# Allegro board FRDM-A-S32K356_PCBLayout.brd (continued)
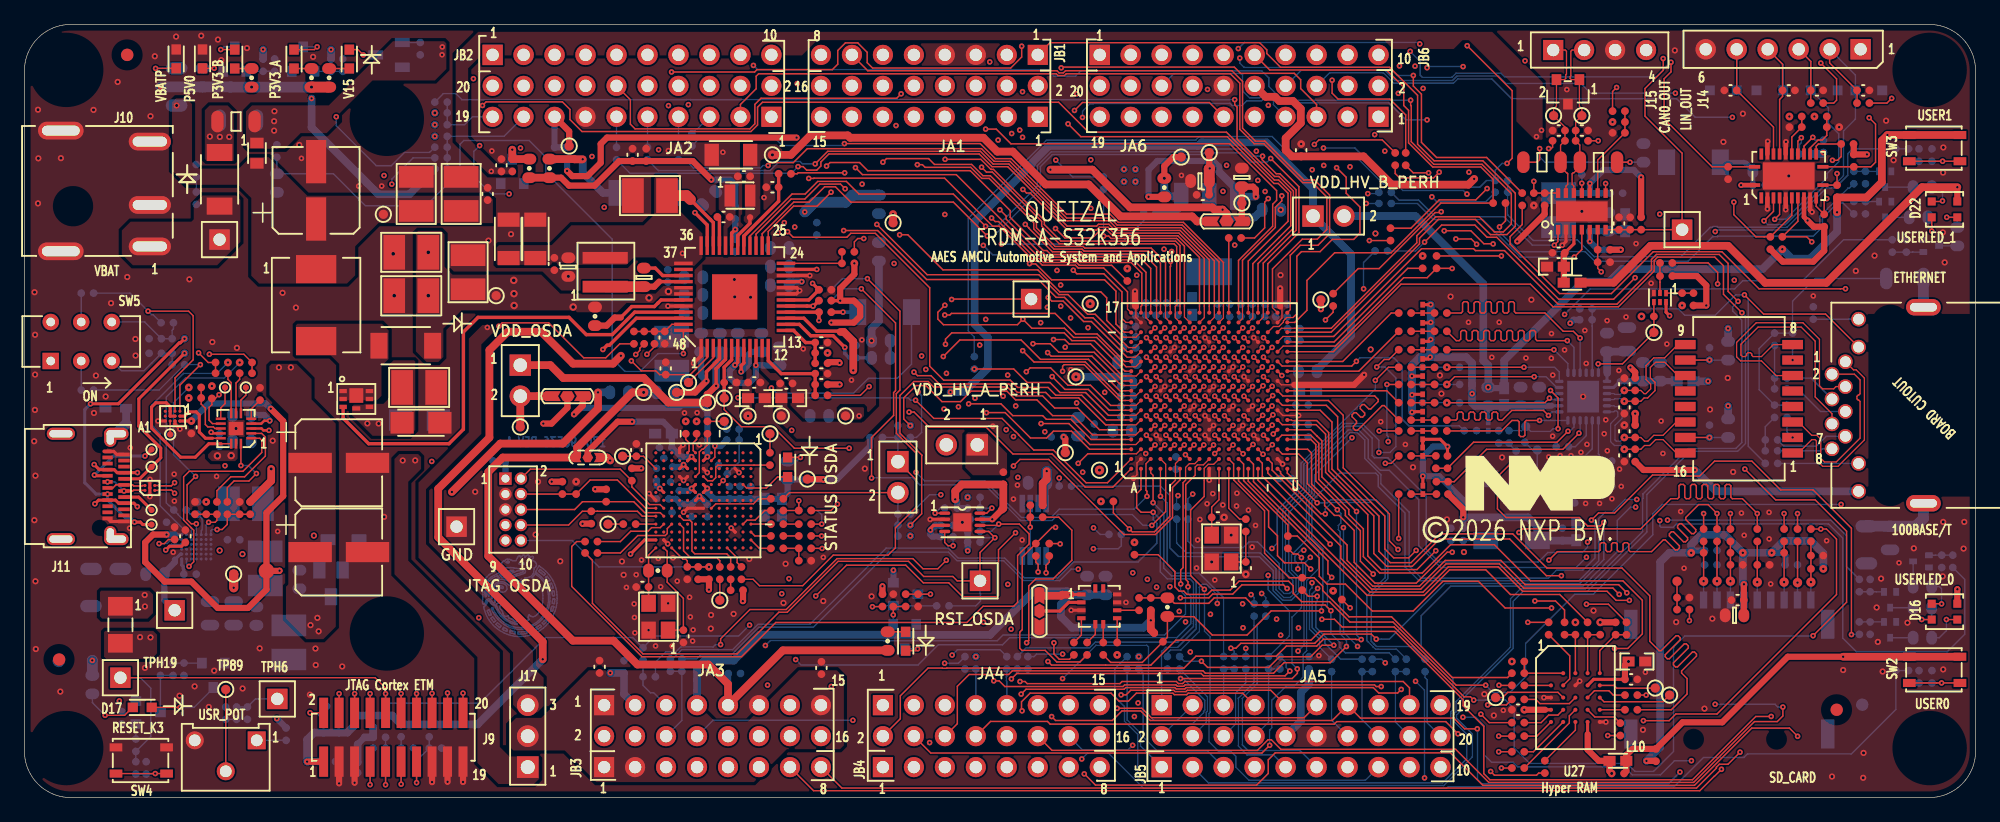
[diagram p0: board, top side]
## Routing (per net, layer and track width the routed paths; a pad name or vN(x,y) marks a point on that pad's centre or on a via; arc(x,y) is an arc through that point) (continued)
  L4_INT_2 w0.102: 91.95,26.04 v1(91.95,28.22)
  L4_INT_2 w0.127: 91.95,26.04 91.95,26.01 91.13,25.19 90.73,25.19 v1(87.67,22.13)
  BOTTOM w0.118: R57.1 88.21,21.59 v1(87.67,22.13)
PTH3: length 68.6
  TOP w0.127: U2.E11 v1(94.31,35.33)
  L3_INT_1 w0.102: v1(94.31,35.33) 94.31,35.64 94,35.95 94,36.69 93.93,36.77 93.93,37.09 94,37.16 94,38.29 93.93,38.37 93.93,40.29
  L3_INT_1 w0.127: 93.93,40.29 93.93,43.14 92.81,44.25 92.81,47.13 96.58,50.9 96.58,52.18 96.87,52.47 99.24,52.47 100.14,53.37 100.14,53.39 101.87,55.11 101.87,56.32 101.23,56.96 100.54,56.96 100.29,56.71 98.39,56.71 v1(97.01,58.09)
  L4_INT_2 w0.127: v1(97.01,58.09) 97.01,58.75 97.68,59.42 106.47,59.42 106.8,59.09 106.8,58.48 107.89,57.39 109.39,57.39 109.68,57.67 109.68,58.62 110.49,59.43 111.38,59.43 112.03,58.79 112.03,57.97 111.93,57.87 111.93,57.23 112.62,56.54 112.62,52.96 115.41,50.17 v1(115.41,49.28)
  BOTTOM w0.118: R53.1 119.83,48.87 115.81,48.87 v1(115.41,49.28)
PTH4: length 11.3
  TOP w0.127: U2.E12 v1(93.6,36.13)
  L3_INT_1 w0.102: 90.74,40.29 90.74,37.68 91.87,36.54 93.19,36.54 v1(93.6,36.13)
  L3_INT_1 w0.127: v2(90.44,43.4) 91.5,43.4 91.63,43.27 91.63,42.14 91.49,41.99 91.49,41.34 91.24,41.1 91.02,41.1 90.74,40.81 90.74,40.29
PTH5: length 60.8
  TOP w0.118: R800.1 119.9,52.51 115.79,52.51 114.56,53.75 114.56,57.7 113.89,58.37 v1(113.89,59.23)
  TOP w0.127: U2.F13 v1(95.11,36.93)
  L3_INT_1 w0.102: 94.69,40.29 94.69,38.41 94.87,38.22 94.87,37.16 v1(95.11,36.93)
  L3_INT_1 w0.127: v1(99.66,60.66) 99.66,60.24 99.73,60.17 99.73,57.69 100.02,57.4 102.07,57.4 102.43,57.04 102.43,55.01 100.86,53.44 100.85,53.44 100.6,53.2 100.6,51.69 99.1,50.2 99.1,48.34 94.69,43.93 94.69,40.29
  BOTTOM w0.118: v1(99.66,60.66) 99.66,60.25 100.01,59.9 111.91,59.9 112.58,59.23 v1(113.89,59.23)
PTH6: length 17.9
  TOP w0.118: v1(106.69,39.18) 106.69,39.19 106.8,39.31 106.8,39.31 107.32,39.82 R801.1
  TOP w0.127: U2.G13 v1(95.91,36.93)
  L3_INT_1 w0.102: 104.13,37.6 102.51,37.6 101.98,37.06 101.98,36.78 101.7,36.51 101.45,36.51 101.18,36.25 101.18,35.94 100.91,35.66 99.77,35.66 99.58,35.46 99.58,35.08 99.45,34.95 99.15,34.95 98.87,34.66 98.87,34.39 98.6,34.11 96.68,34.11 96.38,34.41 96.38,36.46 v1(95.91,36.93)
  L3_INT_1 w0.127: 104.13,37.6 105.1,37.6 v1(106.69,39.18)
PTH7: length 23.5
  TOP w0.118: v1(110.28,45.69) R802.1
  TOP w0.127: U2.K13 v1(98.31,36.93)
  L3_INT_1 w0.102: 97.13,40.29 97.13,38.37 97.2,38.29 97.2,37.46 97.39,37.27 97.72,37.27 98.07,36.93 v1(98.31,36.93)
  L3_INT_1 w0.127: v1(99.24,45.32) 97.25,43.33 97.25,43.2 97.13,43.07 97.13,40.29
  L4_INT_2 w0.127: v1(99.24,45.32) 99.61,45.69 v1(110.28,45.69)
PTH9: length 143.5
  TOP w0.118: v1(106.36,15.32) 102.24,15.32 100.25,13.34 97.4,13.34 95.9,14.84 94.98,14.84 94.96,14.86 R523.2 93.72,13.15 93.72,13.14 93.72,13.14 R522.2 91.67,11.09 89.08,11.09 R520.2
  TOP w0.127: U2.M13 v1(99.91,36.93)
  L3_INT_1 w0.127: v1(132.21,24.46) 133.31,25.55 141.16,25.55 141.72,26.11 141.72,41.18 140.46,42.44 v1(140.21,42.44)
  L4_INT_2 w0.102: 104.13,39.36 102.09,37.33 100.98,37.33 100.58,36.93 v1(99.91,36.93)
  L4_INT_2 w0.127: 104.13,39.36 104.27,39.51 104.27,40.19 106.45,42.37 114.36,42.37 116.36,44.37 118.92,44.37 119.66,43.63 127.41,43.63 127.83,44.05 138.59,44.05 v1(140.21,42.44)
  BOTTOM w0.118: v1(132.21,24.46) 131.28,24.46 131.26,24.44 131.26,24.44 130.22,23.4 129.6,23.4 129.1,22.89 129.1,19.43 127.46,17.79 114.34,17.79 113.2,18.93 113.2,23.34 112.43,24.12 112.4,24.12 111.01,25.51 111.01,26.4 110.8,26.62 107.85,26.62 105.57,24.34 105.57,21.3 106.47,20.4 106.47,15.85 106.36,15.73 v1(106.36,15.32)
PTH11: length 115.6
  TOP w0.118: v1(82.18,12.7) 82.35,12.88 82.35,17.37 82.92,17.94 84.35,17.94 84.87,18.45 84.88,18.45 85.89,19.47 85.89,21.93 84.82,23 R525.1
  TOP w0.127: U2.N12 v1(100,36.13)
  L3_INT_1 w0.102: v1(100,36.13) 100,36.25 100.43,36.67 100.43,37.56 100.38,37.61 100.38,40.29
  L3_INT_1 w0.127: v1(82.18,12.7) 81.88,13 81.88,17.67 80.38,19.17 80.38,22.12 80.47,22.2 80.47,22.67 80.43,22.71 80.43,23.48 80.2,23.72 80.2,29.57 79.86,29.91 79.86,31.97 79.03,32.79 79.03,38 78.41,38.63 78.41,44.48 79.05,45.12 79.05,45.4 79.86,46.21 79.86,47.39 80.78,48.31 80.78,50.43 80.95,50.6 v1(80.95,54.47) ; 100.38,40.29 100.38,41.51 104.04,45.17 108.88,45.17 111.55,47.84 v1(111.55,53.03)
  L4_INT_2 w0.127: v1(80.95,54.47) 81.43,54 81.43,53.99 81.67,53.74 83.38,53.74 83.79,54.16 101.47,54.16 102.69,52.94 111.46,52.94 v1(111.55,53.03)
QSPI_A_CS: length 4
  TOP w0.118: R745.1 R776.2 U27.A3
QSPI_A_RDS: length 4.5
  TOP w0.118: R774.2 123.93,8.06 124.27,7.71 126.69,7.71 U27.C3
QSPI_A_SCK: length 5.1
  TOP w0.118: U27.B2 126.72,9.74 126.72,11.63 R714.1
QSPI_INT_PTA27: length 41.8
  TOP w0.118: U2.M2 99.97,27.36 99.97,26 103.6,22.37 R3.2 104.38,21.46 106.18,19.66 106.18,18.15 106.82,17.51 108.32,17.51 110.53,15.31 113.88,15.31 116.32,17.74 119.23,17.74 121.41,15.56 v1(125.22,15.56) ; R781.2 129.88,15.86 v1(128.08,15.86)
  L3_INT_1 w0.127: v1(128.08,15.86) 125.53,15.86 v1(125.22,15.56)
QSPI_IO0: length 6.5
  TOP w0.118: U27.D3 126.68,6.71 126.68,6.12 R715.2
QSPI_IO0_PTD11: length 61.6
  TOP w0.102: U2.U6 103.9,30.98 103.94,30.93 104.13,30.93
  TOP w0.118: 104.13,30.93 105.96,30.93 106.95,29.94 106.95,26.81 110.65,23.11 110.65,20.03 111.7,18.97 113.8,18.97 116.04,21.21 121.79,21.21 124.8,18.2 v1(126.03,18.2) ; v1(121.11,2.43) R715.1
  L3_INT_1 w0.127: v1(121.11,2.43) 120.2,3.34 120.2,5.36 120.72,5.88 123.11,5.88 125.22,7.99 125.4,7.99 126.2,7.19 126.38,7.19 126.56,7.37 126.56,7.55 125.76,8.35 125.76,8.53 125.94,8.71 126.12,8.71 126.91,7.91 127.09,7.91 127.27,8.09 127.27,8.27 126.48,9.07 126.48,9.25 127.77,10.54 127.77,11.92 126.38,13.3 124.68,15.01 124.68,15.82 126.03,17.17 v1(126.03,18.2)
QSPI_IO1: length 3.6
  TOP w0.118: R746.2 124.37,6.15 124.99,6.77 125.74,6.77 U27.D2
QSPI_IO1_PTD7: length 64.4
  TOP w0.118: R746.1 120.12,6.15 v1(119.43,6.84) ; U2.U4 105.48,29.38 105.89,28.96 105.89,25.97 108.32,23.54 108.32,23.13 109.55,21.9 109.55,19.39 v1(110.6,18.34)
  L3_INT_1 w0.127: v1(119.43,6.84) 114.54,11.73 114.54,12.28 114.42,12.4 113.74,12.4 113.61,12.53 113.61,12.79 113.74,12.91 114.42,12.91 114.54,13.04 114.54,13.29 114.42,13.42 113.74,13.42 113.61,13.55 113.61,13.8 113.74,13.93 114.42,13.93 114.54,14.06 114.54,14.39 114,14.93 113.82,14.93 112.69,13.8 112.51,13.8 112.33,13.98 112.33,14.16 113.46,15.29 113.46,15.47 112.59,16.35 112.59,16.53 112.84,16.78 113.02,16.78 114.38,15.42 114.56,15.42 114.74,15.6 114.74,15.78 113.38,17.14 113.38,17.32 113.66,17.59 113.84,17.59 114.49,16.94 114.67,16.94 114.85,17.12 114.85,17.3 114.2,17.95 114.2,18.13 114.76,18.7 114.76,18.88 114.58,19.06 114.4,19.06 112.23,16.89 112.05,16.89 111.87,17.07 111.87,17.25 114.04,19.42 114.04,19.6 113.86,19.77 113.68,19.77 112.34,18.43 112.16,18.43 111.82,18.77 111.82,18.95 112.46,19.59 112.46,19.76 112.28,19.94 112.1,19.94 111.46,19.31 111.28,19.31 110.83,19.76 110.65,19.76 110.47,19.58 110.47,19.4 111.8,18.07 111.8,17.89 111.51,17.6 111.33,17.6 v1(110.6,18.34)
QSPI_IO2: length 3.4
  TOP w0.118: R747.2 130.28,8.41 129.93,8.77 128.74,8.77 U27.C4
QSPI_IO2_PTD12: length 64.2
  TOP w0.118: v1(102.32,30.56) 102.32,30.54 U2.R5 ; R747.1 v1(132.98,8.41)
  L3_INT_1 w0.102: v1(102.32,30.56) 104.13,30.56
  L3_INT_1 w0.127: 104.13,30.56 108.59,30.56 110.37,28.78 111.37,28.78 113.31,26.84 113.31,26.66 112.36,25.7 112.36,25.52 112.53,25.35 112.71,25.35 113.67,26.3 113.85,26.3 114.03,26.12 114.03,25.94 113.07,24.99 113.07,24.81 113.25,24.63 113.43,24.63 114.39,25.58 114.57,25.58 114.75,25.4 114.75,25.22 113.79,24.27 113.79,24.09 113.97,23.91 114.15,23.91 115.11,24.86 115.29,24.86 115.47,24.68 115.47,24.51 114.51,23.55 114.51,23.37 114.69,23.19 114.87,23.19 115.83,24.15 116.01,24.15 116.19,23.97 116.19,23.79 115.23,22.83 115.23,22.65 115.41,22.47 115.59,22.47 116.55,23.43 116.73,23.43 117.87,22.29 123.14,22.29 133.16,12.28 133.16,12 132.47,11.32 132.47,11.14 132.65,10.96 132.83,10.96 133.52,11.65 133.7,11.65 134.15,11.19 134.15,9.87 134.02,9.74 132.81,9.74 132.68,9.62 132.68,9.36 132.81,9.24 134.02,9.24 134.15,9.11 134.15,8.82 133.73,8.41 v1(132.98,8.41)
QSPI_IO3: length 3.1
  TOP w0.118: U27.D4 128.77,6.62 130.35,6.62 R713.2
QSPI_IO4: length 2.1
  TOP w0.118: U27.D5 R770.2
QSPI_IO5: length 4.2
  TOP w0.118: U27.E3 127.18,5.54 R771.2
QSPI_IO5_PTD9: length 63.7
  TOP w0.118: R771.1 124.17,2.01 123.99,1.84 120.54,1.84 v1(120.23,2.15) ; v1(112.63,20.35) 111.93,21.06 111.93,23.26 108.14,27.05 108.14,31.36 106.93,32.58 U2.U8
  L3_INT_1 w0.127: v1(120.23,2.15) 118.7,3.67 118.7,7.04 111.8,13.95 111.8,14.13 112.53,14.86 112.53,15.04 112.35,15.22 112.17,15.22 111.34,14.4 111.16,14.4 110.98,14.58 110.98,14.76 111.81,15.58 111.81,15.76 111.63,15.94 111.45,15.94 110.63,15.12 110.45,15.12 110.27,15.3 110.27,15.48 111.09,16.3 111.09,16.48 110.91,16.66 110.73,16.66 109.91,15.84 109.73,15.84 109.55,16.02 109.55,18.41 109.42,18.53 109.15,18.53 109.02,18.41 109.02,17 108.9,16.87 108.64,16.87 108.52,17 108.52,18.41 108.39,18.53 107.42,18.53 107.29,18.66 107.29,18.91 107.42,19.04 108.26,19.04 108.39,19.17 108.39,19.59 108.51,19.71 108.77,19.71 108.9,19.59 108.9,19.17 109.02,19.04 109.42,19.04 109.55,19.17 109.55,19.54 110.36,20.35 v1(112.63,20.35)
QSPI_IO6: length 4.2
  TOP w0.118: U27.E2 123.73,3.76 R772.2
QSPI_IO6_PTD8: length 64.7
  TOP w0.118: U2.R8 v1(102.36,32.98) ; R772.1 v1(120.89,3.76)
  L3_INT_1 w0.102: v1(102.36,32.98) 104.13,32.98
  L3_INT_1 w0.127: v1(120.89,3.76) 122.88,3.76 124,2.64 131.4,2.64 134.77,6 134.77,11.46 123.27,22.96 120.68,22.96 110.07,33.57 105.8,33.57 105.2,32.98 104.13,32.98
QSPI_IO7: length 2.7
  TOP w0.118: U27.E1 124.02,5.04 R773.2
QSPI_RST_PTA28: length 35.9
  TOP w0.118: U2.N2 100.78,27.35 100.78,25.92 110.11,16.59 114.77,16.59 116.86,18.68 119.83,18.68 121.85,16.66 125.89,16.66 R777.2
QSPI_RSTO_PTA26: length 33.8
  TOP w0.118: R782.2 121.61,9.85 117.09,9.85 112.1,14.83 108.61,14.83 106.46,16.99 106.46,17.34 105.75,18.04 105.41,18.04 105.41,18.04 R2.2 103.7,18.04 101.69,20.05 101.69,23.53 99.15,26.06 99.15,27.38 U2.L2
QSPI_SCK_PTD10: length 67.7
  TOP w0.118: v1(123.28,14.38) R714.2 ; U2.T6 103.14,30.59 105.92,30.59 106.69,29.81 106.69,26.68 110.15,23.22 110.15,19.82 111.27,18.71 114.19,18.71 v1(115.73,20.25) ; v1(120.91,9.22) 120.93,9.21 R778.2
  L3_INT_1 w0.127: v1(120.91,9.22) 120.91,8.37 121.5,7.79 123.25,7.79 123.69,8.23 123.69,8.41 122.05,10.05 122.05,10.23 122.23,10.41 122.4,10.41 124.05,8.77 124.23,8.77 124.4,8.95 124.4,9.13 122.76,10.77 122.76,10.95 122.94,11.13 123.12,11.13 124.76,9.49 124.94,9.49 125.12,9.67 125.12,9.85 123.48,11.49 123.48,11.67 123.66,11.85 123.84,11.85 125.48,10.2 125.66,10.2 126.14,10.68 126.14,12.54 125.88,12.8 125.7,12.8 124.91,12 124.73,12 124.55,12.18 124.55,12.36 125.34,13.16 125.34,13.34 125.16,13.52 124.98,13.52 124.19,12.72 124.01,12.72 123.83,12.9 123.83,13.08 124.63,13.88 124.63,14.06 124.3,14.38 v1(123.28,14.38) 122.23,14.38 117.09,19.52 116.46,19.52 v1(115.73,20.25)
RESET_MCU: length 303.2
  TOP w0.102: U2.A3 90.3,28.58
  TOP w0.118: J9.10 v1(29.62,8.53) 29.62,8.98 28.76,9.84 TPH19.1 ; v1(146.67,13.28) 149.41,16.03 149.41,21.85 146.84,24.42 143.6,24.42 v1(141.07,26.95) ; v1(106.39,14.63) 107.42,14.63 108.05,13.99 112.32,13.99 118.04,8.27 118.58,8.27 v1(118.84,8) ; v1(78.89,31.57) 78.89,31.58 80.42,31.58 82.5,29.5 83.82,29.5 84.38,30.06 85.86,30.06 87.34,28.58 90.3,28.58 ; U1.2 55.99,36.09 54.6,34.69 C187.1 52.08,34.69 51.77,35 50.59,35 v1(49.77,35.82)
  L3_INT_1 w0.127: v1(141.07,26.95) 141.07,38.34 139.8,39.61 136.69,39.61 v2(135.93,40.37) ; v1(78.89,31.57) 78.89,31.15 78.76,31.03 78.76,30.2 79.54,29.42 79.54,26.83 v2(77.35,24.64) 78.78,23.2 78.78,19.9 80.98,17.7 80.98,17.35 80.49,16.86 80.49,15.1 80.91,14.69 v1(80.91,13.82) ; v1(49.77,35.82) 50.66,34.93 57.01,34.93 58.34,33.6 v1(61.25,33.6) 61.25,32.63 60.07,31.44 60.07,14.76 v1(59.46,14.15)
  L4_INT_2 w0.127: v1(59.46,14.15) 61.58,14.15 62.06,14.63 77.74,14.63 78.84,13.52 80.61,13.52 v1(80.91,13.82) 81.05,13.82 81.28,14.05 90.28,14.05 91.34,12.99 101.61,12.99 103.59,14.96 106.05,14.96 v1(106.39,14.63)
  BOTTOM w0.118: v1(59.46,14.15) 58.57,13.26 51.69,13.26 R419.1 49.89,13.13 42.73,13.13 37.35,7.75 R349.2 v1(29.62,8.53) ; TPH19.1 9.5,9.84 10.37,8.98 10.37,5.01 R365.1 R364.2 ; v1(61.25,33.6) 61.68,33.18 68,33.18 69.21,34.39 71.57,34.39 72.74,35.56 D21.A ; v1(146.67,13.28) 146.65,13.26 136.15,13.26 135.23,12.33 135.23,3.8 133.58,2.15 132.06,2.15 131.4,2.81 123.42,2.81 122.16,4.06 122.16,7.29 121.44,8.02 119.81,8.02 119.79,8 v1(118.84,8)
RGBLED0_BLUE: length 109.5
  TOP w0.118: v1(149.81,13.37) 149.81,22.09 146.67,25.24 144.01,25.24 141.65,27.6 138.59,27.6 137.37,26.38 135.67,26.38 135.58,26.46 133.5,26.46 130.39,23.35 129.07,23.35 v1(128.49,22.77)
  BOTTOM w0.118: v1(149.81,13.37) 149.83,13.37 149.85,13.39 R333.1 ; v1(128.49,22.77) 128.79,22.47 128.79,19.66 127.79,18.66 125.63,18.66 124.98,18.01 114.53,18.01 113.55,18.99 113.55,23.42 111.23,25.73 111.23,26.5 109.91,27.82 109.91,29.33 109.31,29.94 108.69,29.94 105.56,26.81 105.56,24.95 105.13,24.52 105.13,21.14 103.89,19.91 103.89,18.69 104.49,18.1 104.49,16.8 103.88,16.19 103.18,16.19 102.4,16.97 102.4,18.63 101.27,19.76 97.55,19.76 97.54,19.77 94.64,19.77 93.93,20.48 93.93,24.77 93.14,25.56 R59.1
RGBLED0_GREEN: length 86.6
  L3_INT_1 w0.127: v1(134.73,22.76) 134.73,21.46 132.06,18.79 129.01,18.79 v1(128.08,19.72)
  BOTTOM w0.118: R61.1 94.48,20.88 95.3,20.07 101.33,20.07 102.63,18.77 102.63,17.05 103.27,16.41 103.78,16.41 104.27,16.89 104.27,18.01 103.67,18.6 103.67,23.37 105.34,25.04 105.34,26.95 108.55,30.16 109.4,30.16 110.2,29.36 110.2,27.84 111.19,26.84 111.92,26.84 114.34,24.43 114.34,20.66 116.12,18.88 127.25,18.88 v1(128.08,19.72) ; v1(134.73,22.76) 148.12,22.76 149.41,21.48 149.41,18.95 R338.1
RGBLED0_RED: length 108.6
  L3_INT_1 w0.127: v1(134.1,22.73) 134.1,21.47 131.94,19.32 129.41,19.32 128.18,20.55 v1(128.18,20.96)
  BOTTOM w0.118: R62.1 95.4,21.04 95.93,20.51 99.95,20.51 100.41,20.97 101.12,20.97 102.89,19.2 102.89,17.15 103.3,16.74 103.74,16.74 104.01,17.01 104.01,17.84 103.4,18.45 103.4,23.48 105.12,25.21 105.12,27.25 108.34,30.47 109.54,30.47 110.51,29.49 110.51,28.06 110.7,27.87 111.8,27.87 114.95,24.73 114.95,20.36 115.99,19.33 124.13,19.33 124.91,20.1 127.73,20.1 128.18,20.55 v1(128.18,20.96) ; v1(134.1,22.73) 134.1,22.29 134.22,22.17 135.19,22.17 135.46,22.45 147.94,22.45 149.1,21.28 149.1,13.08 150.22,11.96 157.67,11.96 159.1,13.4 159.1,17.9 R341.1
RGBLED1_BLUE: length 49.4
  TOP w0.118: v1(115.14,51.25) 113.88,51.25 R796.1
  L3_INT_1 w0.127: v1(126.29,39.63) 123.6,39.63 118.59,44.64 118.59,47.8 v1(115.14,51.25)
  BOTTOM w0.118: R787.1 149.17,45.76 145.8,42.39 140.9,42.39 140.23,41.72 128.38,41.72 v1(126.29,39.63)
RGBLED1_GREEN: length 35.4
  TOP w0.118: R797.1 121.45,47.31 v1(120.95,46.82)
  BOTTOM w0.118: v1(120.95,46.82) 120.95,46.4 122.58,44.78 127.99,44.78 128.77,44 136.42,44 138.46,46.03 138.47,46.02 138.82,46.02 138.85,46.05 146.68,46.05 147.44,46.81 147.44,47.53 148.68,48.77 149.11,48.77 R789.1
RGBLED1_RED: length 46.7
  TOP w0.118: v1(116.01,51.3) 115.54,50.83 112.76,50.83 112.4,51.19 R798.1
  L3_INT_1 w0.127: v1(138.65,46.43) 138.65,48.64 136.35,50.94 136.35,50.98 134.62,52.71 124.63,52.71 121.39,49.47 119.05,49.47 117.73,50.8 116.52,50.8 v1(116.01,51.3)
  BOTTOM w0.118: R791.1 149.65,50 149.54,50 147.22,47.68 147.22,46.9 146.87,46.56 138.77,46.56 v1(138.65,46.43)
SDA_EXTAL_16MHZ: length 4.8
  TOP w0.118: U8.N13 51.18,19.89 R104.1 C94.1 Y2.3
SDA_JTAG_TCLK: length 12.5
  TOP w0.118: U8.N8 50.94,23.73 48.62,26.05 46.39,26.05 R154.1 R150.2 J13.4
SDA_JTAG_TDI: length 11.7
  TOP w0.118: U8.N9 50.67,23.08 50.26,23.49 46.99,23.49 46.99,23.49 R152.2 45.75,23.49 44.62,22.36 J13.8
SDA_JTAG_TDO: length 12.5
  TOP w0.118: J13.6 45.12,23.63 45.76,24.27 R151.2 49.97,24.27 50.87,23.37 52.14,23.37 U8.M9
SDA_JTAG_TMS: length 13.7
  TOP w0.118: J13.2 41.49,26.94 48.86,26.94 R149.2 49.81,25.49 51.26,24.04 52.12,24.04 U8.M8
SDA_LED: length 4.2
  TOP w0.118: U8.B5 59.21,25.4 60.85,25.4 61.76,26.3 D9.C
SDA_LVLRST_EN: length 57.5
  TOP w0.118: R99.2 45.28,21 44.88,20.6 44.88,17.32 50.64,11.56 58.8,11.56 61.61,14.36 77.28,14.36 78.61,15.69 81.12,15.69 81.44,16.01 81.44,19.86 82.39,20.81 82.39,21.63 81.58,22.44 v1(79.89,22.44) 79.79,22.33 U10.6
  BOTTOM w0.118: v1(79.89,22.44) 79.3,21.84 R132.2
SDA_RST_B: length 20.3
  TOP w0.118: v2(56.13,18.92) R110.2 R112.1 54.36,19.43 54.22,19.56 54,19.56 U8.L13
  BOTTOM w0.118: v2(56.13,18.92) 47.1,18.92 44.93,21.09 J13.10
SDA_RST_TGTMCU: length 53
  TOP w0.118: U10.5 79.07,21.83 v1(79.58,21.32) 78.36,20.1 TPH10.1 76.49,17.78 76.13,18.14 73.74,18.14 72.5,19.38 66.73,19.38 62.55,15.21 61.86,15.21 58.45,11.79 50.72,11.79 46.58,15.93 46.58,19.47 R100.2
  BOTTOM w0.118: R142.1 78.01,15.73 78.4,16.12 78.4,16.72 78.36,16.76 TPH10.1 ; R130.2 78.73,21.32 v1(79.58,21.32)
SDA_SWD_DIN: length 2.9
  TOP w0.118: v1(63.5,24.35) R108.1 R127.2
  BOTTOM w0.118: v1(63.5,24.35) R108.1
SDA_SWD_DOUT: length 1.3
  TOP w0.118: R126.2 R106.1
SDA_SWD_EN: length 1.7
  TOP w0.118: R102.2 TP134.1
SDA_SWD_OE: length 1.3
  TOP w0.118: R98.2 TP133.1
SDA_SWD_SCK: length 1.3
  TOP w0.118: R125.2 R105.1
SDA_SWD_SWO: length 2.3
  TOP w0.118: R111.1 R109.1 R121.2
SDA_USB_DN: length 1.7
  TOP w0.127: U8.H1 54.84,28.47 54.84,29.11 55.12,29.38 55.12,29.84
SDA_USB_DP: length 1.7
  TOP w0.127: 54.23,29.84 54.23,29.38 54.5,29.11 54.5,28.41 U8.J1
SDA_USB_P5V_SENSE: length 5.2
  TOP w0.118: v1(57.3,26.01) 57.3,26.01 U8.E5
  BOTTOM w0.118: R138.1 R136.2 58.6,27.53 C100.1 57.64,26.34 v1(57.3,26.01)
SDA_XTAL_16MHZ: length 8.7
  TOP w0.118: U8.M13 52.71,20.21 R104.2 52.71,17.68 54.04,16.34 C93.1 Y2.1
TEMP_ALERT: length 4.2
  TOP w0.118: v1(82.48,22.18) R525.2 R524.2
  BOTTOM w0.118: U18.3 v1(82.48,22.18)
TEMP_I2C_SCL: length 2.7
  TOP w0.118: R527.1 82.93,19.32 83.12,19.13 v1(83.12,18.51)
  BOTTOM w0.118: v1(83.12,18.51) 83.13,18.52 U18.2
TEMP_I2C_SDA: length 2.9
  TOP w0.118: R526.1 84.04,19.32 83.78,19.06 83.78,18.85 83.78,18.85 v1(83.78,18.44)
  BOTTOM w0.118: U18.1 83.78,18.58 83.78,18.58 v1(83.78,18.44)
USB1_CC1: length 5.2
  TOP w0.118: 15.43,29.48 U4.13
  TOP w0.254: U7.A2 13.13,31.29 13.48,31.64 14.09,31.64 14.34,31.39 14.34,29.99 14.85,29.48 15.43,29.48
USB1_CC2: length 12.7
  TOP w0.118: 16.13,29.03 U4.14
  TOP w0.254: U7.B2 U7.C2 U7.C1 11.95,32.07 11.64,32.38 10.78,32.38 10.43,32.03 10.43,30.3 12.81,27.92 14.02,27.92 15.12,29.03 16.13,29.03
USB1_DN: length 47.4
  TOP w0.127: v1(12.31,24.96) 12.05,25.23 11.08,25.23 11.05,25.2 U6.C1
  L3_INT_1 w0.127: v2(55.12,30.86) 54.84,30.59 54.84,29.95 54.49,29.59 38,29.59 33.63,25.23 12.58,25.23 v1(12.31,24.96)
USB1_DP: length 46.8
  TOP w0.127: U6.C2 11.05,25.6 11.08,25.57 12.05,25.57 v1(12.31,25.84)
  L3_INT_1 w0.127: v1(12.31,25.84) 12.58,25.57 33.49,25.57 37.85,29.94 54.34,29.94 54.5,30.1 54.5,30.59 v2(54.23,30.86)
USB1_VBUS_IN: length 1.1
  TOP w0.762: v1(17.16,17.21) 17.16,18.33 TP20.1
USB_CC1_PD_OVP: length 14.1
  TOP w0.118: v1(14.43,35.51) 12.75,33.84 U7.A1
  BOTTOM w0.118: R452.2 11.05,33.43 R448.2 v1(14.43,35.51)
USB_CC2_PD_OVP: length 18.8
  TOP w0.118: U7.B1 12.35,34.43 13.84,35.91 13.84,39.52 13.46,39.9 v1(10.14,39.9)
  BOTTOM w0.118: R453.2 8.66,41.38 v1(10.14,39.9) 10.43,39.61 10.55,39.61 R449.2
USB_CHASSIS: length 4.7
  L2_GND_1 w0.508: 8.69,30 8.53,29.84 7.54,29.84
  L2_GND_1 w0.889: 7.43,20.23 7.54,20.34 J11.SH4
  BOTTOM w0.635: L4.1 8.33,30.64
  BOTTOM w0.889: 8.33,30.64 7.54,29.84
USB_VBUS: length 17.1
  TOP w0.635: v1(35.05,25.07) 39.02,29.04 44.15,29.04 47.04,31.92 v1(47.04,33.24)
  BOTTOM w0.635: v1(47.04,33.24) R529.1
USBC_CC1: length 14.6
  TOP w0.254: J11.A5 9.45,26.15 TP24.1 11.18,27.88 11.18,28.67 9.38,30.47 9.38,32.7 v2(13.13,36.45)
USBC_CC2: length 23.8
  TOP w0.254: v1(5.42,32.3) 7.7,32.3 12.7,37.3 12.79,37.3 v2(13.13,37.64) ; v1(9.03,22.6) 9.51,22.6 9.71,22.4 TP25.1
  BOTTOM w0.254: v1(5.42,32.3) 4.95,31.83 4.95,25.83 5.88,24.9 v2(6.82,24.9) 6.82,24.42 8.3,22.94 8.69,22.94 v1(9.03,22.6)
USBC_DN: length 3.4
  TOP w0.127: U6.A1 9.53,25.2 9.5,25.22 8.95,25.22 8.88,25.15 v2(8.17,25.15)
  BOTTOM w0.127: v2(6.82,25.9) 7.42,25.9 v2(8.17,25.15)
USBC_DP: length 3.2
  TOP w0.127: J11.B6 7.25,25.4 7.51,25.66 8.16,25.66 J11.A6 8.88,25.65 8.96,25.56 9.65,25.56 9.68,25.6 U6.A2
USBC_EN_SNK1: length 8.9
  TOP w0.118: R85.1 15.79,25.18 16.93,26.32 18.06,26.32 19.76,28.02 19.76,29.57 19.46,29.88 U4.2
USBC_EN_SRC1: length 7.4
  TOP w0.118: R84.1 16.64,25.42 17.19,25.97 18.41,25.97 v1(19.03,26.58) ; v1(17.75,27.24) U4.16
  BOTTOM w0.118: v1(19.03,26.58) 18.37,27.24 v1(17.75,27.24)
USBC_I2C_SCL: length 3.4
  TOP w0.118: U4.8 16.95,34.04 16.69,34.31 R93.1
USBC_I2C_SDA: length 3.4
  TOP w0.118: R94.1 17.65,34.31 17.35,34.01 U4.7
USBC_SBU1: length 2.7
  TOP w0.254: J11.A8 9.37,24.65 TP26.1
USBC_SBU2: length 6.7
  TOP w0.254: v1(5.74,26.46) 5.8,26.4 J11.B8 ; TP27.1 10.43,28.56 v1(9.89,28.02)
  BOTTOM w0.254: v1(9.89,28.02) 7.3,28.02 v1(5.74,26.46)
USBC_VBUS:
  vias: v4(9.86,16.62) v4(9.88,15.68)
USBC_VBUS_F: length 3.4
  TOP w0.635: v4(20.24,26.96) 20.24,25.98 R456.1
  vias: v2(14.91,24.26) v4(9.48,13.16) v4(10.34,13.14) v4(16.01,20.27) v4(17.88,19.98) v4(23.74,21.49) v5(15.83,28.03) v5(16.96,28.05)
USDHC_CDETECT: length 84
  TOP w0.118: v1(132.75,6.31) 134.87,6.31 135.41,6.86 138.79,6.86 148.59,16.66 148.59,21.2 147.76,22.03 v1(147.3,22.03) R783.1
  TOP w0.127: U2.L4 v1(98.4,29.73)
  L3_INT_1 w0.102: v1(98.4,29.73) 98.4,29.32 98.75,28.97 98.75,27.72 100.43,26.04
  L3_INT_1 w0.127: 100.43,26.04 100.43,26.02 103.67,22.78 103.67,19.86 104.28,19.25 105.72,19.25 105.98,18.99 105.98,17.88 106.89,16.96 v2(107.31,16.96) 107.31,17.4 106.58,18.13 106.58,19.45 107.9,20.77 122.72,20.77 124.86,18.63 126.22,18.63 131.46,13.39 131.46,13.39 132.07,12.79 132.07,7 v1(132.75,6.31)
USDHC_CLK: length 4.8
  TOP w0.118: R768.2 R760.1 v2(142.09,17.68)
  BOTTOM w0.118: v2(142.09,17.68) J16.5
USDHC_CLK_PTA30: length 57.8
  TOP w0.102: U2.P3 v1(101.57,28.16)
  TOP w0.118: v1(122.55,21.75) 122.84,22.04 123,22.04 123.01,22.05 132.53,22.05 135,24.52 135.56,24.52 135.67,24.64 135.67,25.57 135.79,25.69 136.03,25.69 136.15,25.57 136.15,24.64 136.27,24.52 136.5,24.52 136.62,24.64 136.62,25.57 136.74,25.69 136.97,25.69 137.09,25.57 137.09,24.64 137.21,24.52 137.45,24.52 137.56,24.64 137.56,25.57 137.68,25.69 137.92,25.69 138.04,25.57 138.04,24.64 138.15,24.52 138.39,24.52 138.51,24.64 138.51,25.57 138.63,25.69 138.86,25.69 138.98,25.57 138.98,24.64 139.1,24.52 139.34,24.52 139.45,24.64 139.45,25.57 139.57,25.69 139.81,25.69 139.93,25.57 139.93,24.64 140.04,24.52 140.87,24.52 v1(142.09,23.3) R768.1
  L3_INT_1 w0.102: v1(101.57,28.16) 101.57,26.81 102.33,26.04 104.13,26.04
  L3_INT_1 w0.127: v1(122.55,21.75) 114.4,21.75 110.11,26.04 104.13,26.04
USDHC_CMD: length 4.8
  TOP w0.118: v2(139.89,17.75) R759.1 R756.2 R767.2
  BOTTOM w0.118: J16.3 v2(139.89,17.75)
USDHC_D0: length 4.8
  TOP w0.118: v2(144.29,17.68) R752.2 R763.2
  BOTTOM w0.118: v2(144.29,17.68) J16.7
USDHC_D0_PTA31: length 59.6
  TOP w0.118: U2.P1 101.15,26.03 110.33,16.86 114.69,16.86 116.76,18.93 120.85,18.93 122.85,16.93 129.77,16.93 130.52,16.18 v1(131.61,16.18) ; R763.1 v1(144.29,23.3)
  L3_INT_1 w0.127: v1(144.29,23.3) 144.28,23.29 144.28,22.68 144.15,22.55 143.81,22.55 143.68,22.42 143.68,22.17 143.81,22.04 144.15,22.04 144.28,21.91 144.28,21.66 144.15,21.53 143.81,21.53 143.68,21.41 143.68,21.15 143.81,21.02 144.15,21.02 144.28,20.9 144.28,19.29 143.76,18.78 143.76,16.48 143.46,16.18 v1(131.61,16.18)
USDHC_D1: length 6.3
  TOP w0.118: R764.2 v2(145.39,17.64)
  BOTTOM w0.118: R753.2 v2(145.39,17.64) J16.8
USDHC_D2: length 4.8
  TOP w0.118: R765.2 R754.2 v2(137.69,17.75)
  BOTTOM w0.118: v2(137.69,17.75) J16.1
USDHC_D3: length 7.3
  TOP w0.118: R766.2 v2(138.79,17.75)
  BOTTOM w0.118: J16.2 v2(138.79,17.75) R758.1 R755.2
USDHC_D3_PTA29: length 57.9
  TOP w0.102: U2.M3 v1(99.93,28.2)
  TOP w0.118: v1(125.01,19.49) 125.7,20.18 129.08,20.18 129.2,20.29 129.2,20.79 129.31,20.91 129.55,20.91 129.67,20.79 129.67,20.29 129.79,20.18 130.02,20.18 130.14,20.29 130.14,20.79 130.26,20.91 130.49,20.91 130.61,20.79 130.61,20.29 130.73,20.18 130.97,20.18 131.09,20.29 131.09,20.79 131.2,20.91 131.44,20.91 131.56,20.79 131.56,20.29 131.68,20.18 133.42,20.18 134.38,21.14 134.55,21.14 135.38,20.31 135.54,20.31 135.71,20.48 135.71,20.65 134.89,21.47 134.89,21.64 135.05,21.81 135.22,21.81 136.04,20.98 136.21,20.98 136.38,21.15 136.38,21.32 135.55,22.14 135.55,22.31 135.72,22.47 135.89,22.47 136.71,21.65 136.88,21.65 137.05,21.82 137.05,21.98 136.22,22.81 136.22,22.98 137.28,24.03 138.06,24.03 v1(138.79,23.3) R766.1
  L3_INT_1 w0.102: v1(99.93,28.2) 99.93,27.7 101.59,26.04
  L3_INT_1 w0.127: v1(125.01,19.49) 123.29,21.21 114.32,21.21 113.83,21.69 105.94,21.69 101.59,26.04
USDHC_WP_RST_PTE12: length 67
  TOP w0.118: v1(105.47,18.75) 104.96,19.26 103.33,19.26 102.75,19.84 102.75,21.47 102.02,22.2 102.02,23.51 99.56,25.98 U2.M1 ; v1(136.53,14.52) R769.1
  L3_INT_1 w0.127: v1(105.47,18.75) 104.93,18.21 104.93,14.98 106.25,13.66 111.01,13.66 114.84,9.83 115.59,9.83 118.4,7.02 118.4,2.66 119.37,1.7 128.2,1.7 128.87,2.36 133.7,2.36 134.95,3.6 134.95,5.35 136.53,6.93 v1(136.53,14.52)
